# Altium PCB TwoFoot_PCB_m4T1Top2.PcbDoc (part 5 of 9) (continued)
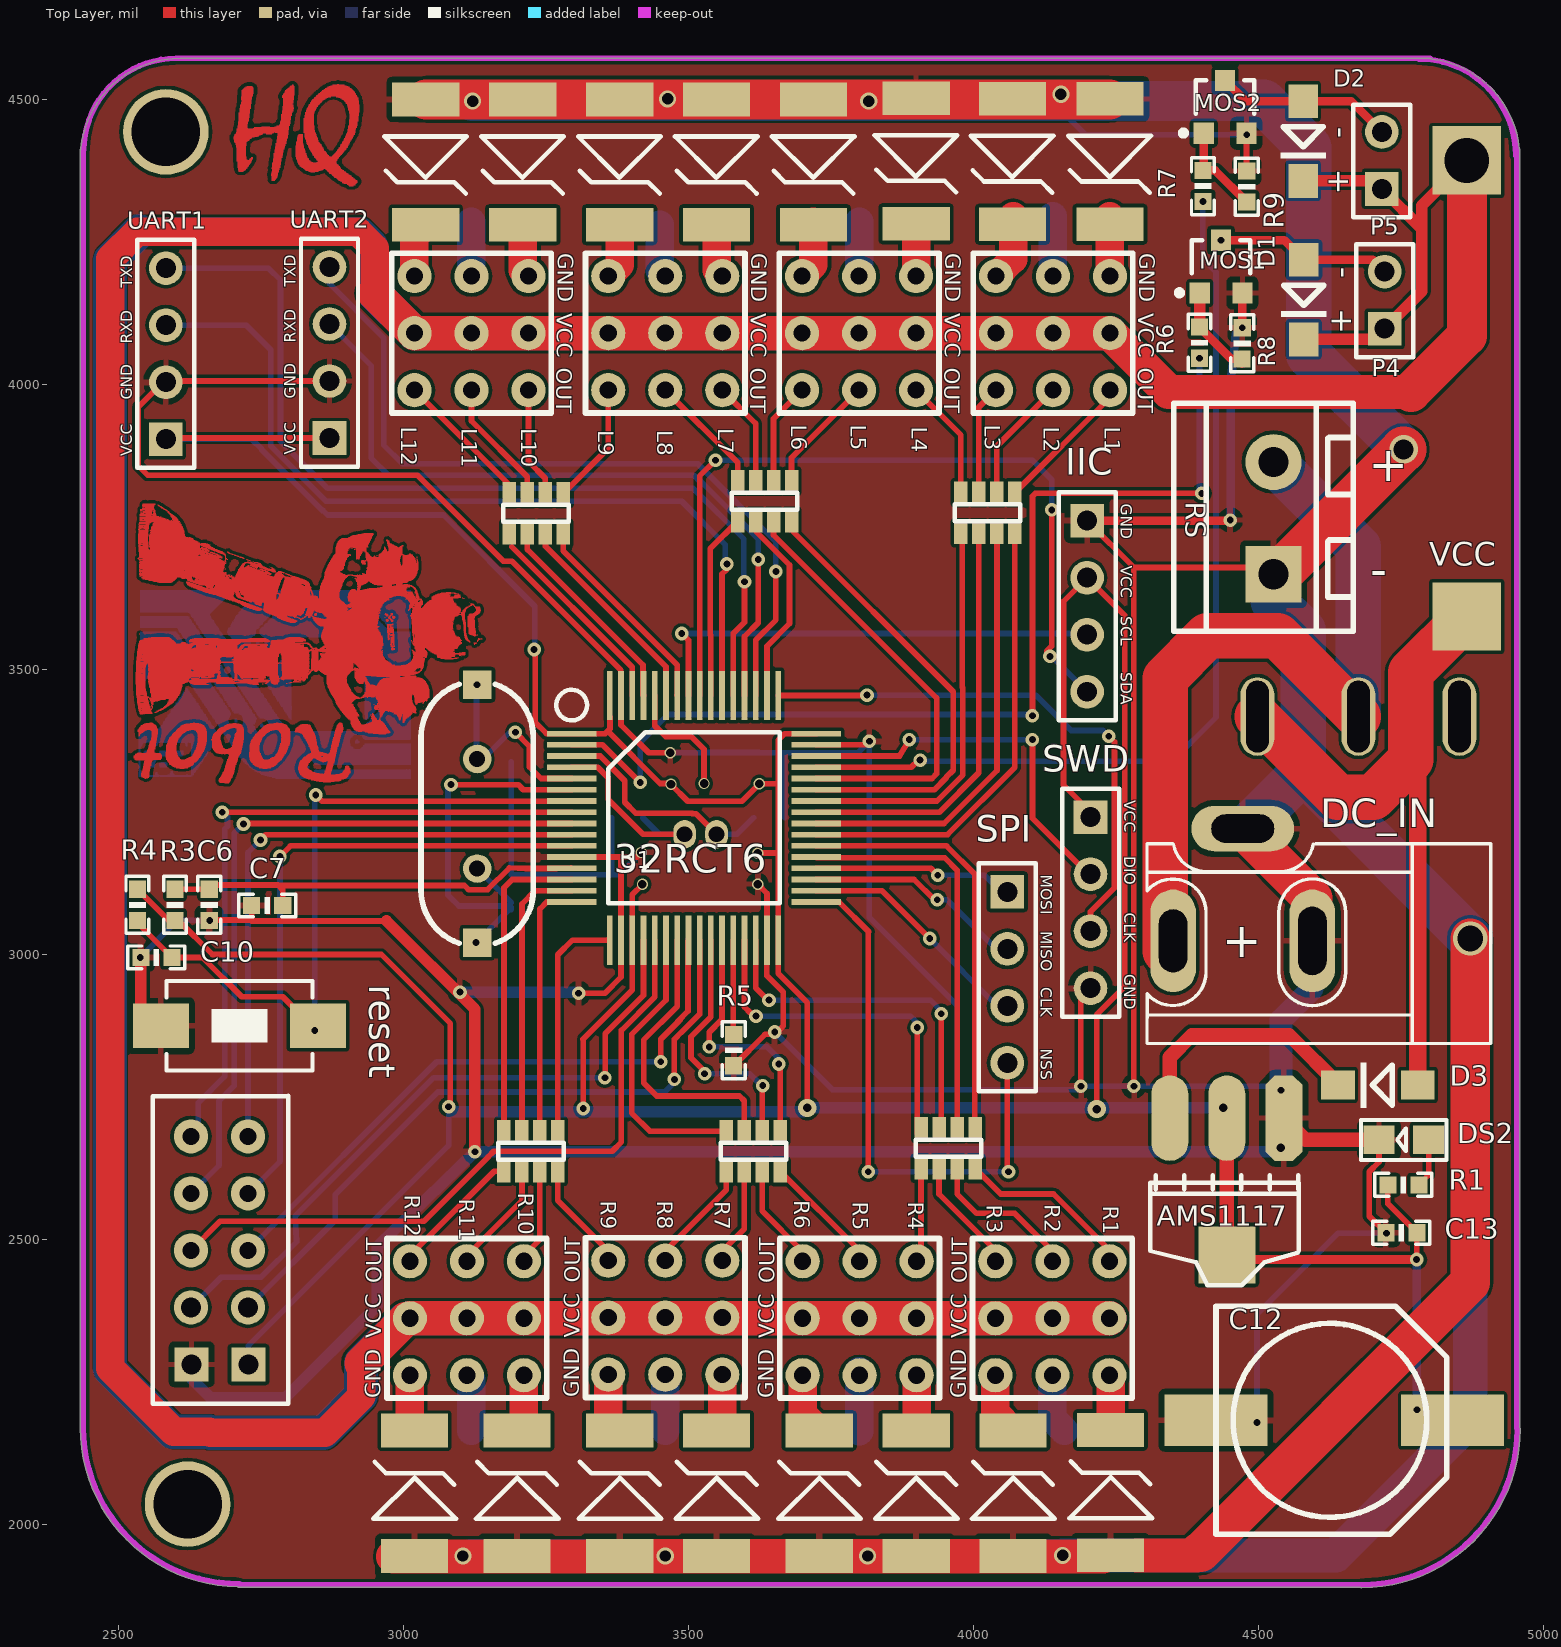
[diagram p0: Top Layer view]
## Nets (pads, with @x,y where several pads share a name; then routed paths per layer and width w, separated by ;. In a path a pad name is that pad's centre, name@x,y a point inside that pad or via, vN(x,y) a via of type N, cw(c..) or ccw(c..) an arc to the next point about the centre after c; other vN are vias at no path point) (continued)
; 2938.8,3454.4 2938.8,3455 ; 2938.8,3455.6 2938.8,3478.4 ; 2938.8,3488.6 2938.8,3641.6 ; 2938.8,3654.2 2938.8,3704.6 ; 2938.8,3714.8 2938.8,3715.4 ; 2938.8,3718.4 2938.8,3739.4 ; 2939.4,3389 2939.4,3405.2 ; 2939.4,3452.6 2939.4,3477.8 ; 2939.4,3488.6 2939.4,3641.6 ; 2939.4,3655.4 2939.4,3704 ; 2939.4,3719.6 2939.4,3739.4 ; 2940,3388.4 2940,3405.8 ; 2940,3452.6 2940,3477.2 ; 2940,3488.6 2940,3641.6 ; 2940,3656 2940,3666.2 ; 2940,3666.8 2940,3702.8 ; 2940,3720.8 2940,3739.4 ; 2940.6,3388.4 2940.6,3405.8 ; 2940.6,3452.6 2940.6,3476 ; 2940.6,3488.6 2940.6,3641.6 ; 2940.6,3656 2940.6,3702.2 ; 2940.6,3722 2940.6,3739.4 ; 2941.2,3387.8 2941.2,3405.8 ; 2941.2,3452.6 2941.2,3474.8 ; 2941.2,3488.6 2941.2,3642.2 ; 2941.2,3655.4 2941.2,3665.6 ; 2941.2,3666.2 2941.2,3666.8 ; 2941.2,3668 2941.2,3701 ; 2941.2,3723.2 2941.2,3739.4 ; 2941.8,3387.8 2941.8,3406.4 ; 2941.8,3452 2941.8,3473.6 ; 2941.8,3488.6 2941.8,3642.2 ; 2941.8,3654.8 2941.8,3670.4 ; 2941.8,3671 2941.8,3700.4 ; 2941.8,3724.4 2941.8,3738.8 ; 2942.4,3387.8 2942.4,3406.4 ; 2942.4,3452 2942.4,3473.6 ; 2942.4,3488.6 2942.4,3642.2 ; 2942.4,3654.2 2942.4,3699.8 ; 2942.4,3725.6 2942.4,3738.8 ; 2943,3387.8 2943,3407 ; 2943,3452 2943,3473.6 ; 2943,3488.6 2943,3642.2 ; 2943,3653.6 2943,3698.6 ; 2943,3726.8 2943,3738.8 ; 2943.6,3387.8 2943.6,3407 ; 2943.6,3452 2943.6,3473.6 ; 2943.6,3488.6 2943.6,3642.2 ; 2943.6,3653 2943.6,3698.6 ; 2943.6,3728.6 2943.6,3738.8 ; 2944.2,3387.8 2944.2,3407.6 ; 2944.2,3418.4 2944.2,3421.4 ; 2944.2,3452 2944.2,3471.8 ; 2944.2,3472.4 2944.2,3473.6 ; 2944.2,3488.6 2944.2,3642.2 ; 2944.2,3652.4 2944.2,3698 ; 2944.2,3729.2 2944.2,3738.8 ; 2944.8,3387.8 2944.8,3407.6 ; 2944.8,3451.4 2944.8,3473 ; 2944.8,3488 2944.8,3641.6 ; 2944.8,3651.8 2944.8,3697.4 ; 2944.8,3730.4 2944.8,3738.8 ; 2945.4,3387.8 2945.4,3407.6 ; 2945.4,3413.6 2945.4,3414.2 ; 2945.4,3416.6 2945.4,3417.2 ; 2945.4,3451.4 2945.4,3473 ; 2945.4,3488 2945.4,3642.2 ; 2945.4,3651.8 2945.4,3696.8 ; 2945.4,3732.2 2945.4,3738.8 ; 2946,3387.8 2946,3408.2 ; 2946,3413 2946,3418.4 ; 2946,3451.4 2946,3473 ; 2946,3488 2946,3642.2 ; 2946,3651.8 2946,3696.8 ; 2946,3733.4 2946,3738.8 ; 2946.6,3387.8 2946.6,3408.2 ; 2946.6,3410.6 2946.6,3411.2 ; 2946.6,3411.8 2946.6,3420.2 ; 2946.6,3421.4 2946.6,3422.6 ; 2946.6,3451.4 2946.6,3473 ; 2946.6,3488 2946.6,3642.2 ; 2946.6,3650.6 2946.6,3696.8 ; 2946.6,3734.6 2946.6,3738.8 ; 2947.2,3387.8 2947.2,3408.2 ; 2947.2,3409.4 2947.2,3411.2 ; 2947.2,3411.8 2947.2,3423.2 ; 2947.2,3451.4 2947.2,3473 ; 2947.2,3488 2947.2,3642.2 ; 2947.2,3650.6 2947.2,3696.8 ; 2947.2,3735.2 2947.2,3738.2 ; 2947.8,3387.8 2947.8,3408.2 ; 2947.8,3408.8 2947.8,3411.2 ; 2947.8,3411.8 2947.8,3422.6 ; 2947.8,3451.4 2947.8,3473 ; 2947.8,3488 2947.8,3642.2 ; 2947.8,3650 2947.8,3695 ; 2947.8,3736.4 2947.8,3738.2 ; 2948.4,3387.8 2948.4,3421.4 ; 2948.4,3451.4 2948.4,3472.4 ; 2948.4,3488 2948.4,3642.2 ; 2948.4,3650 2948.4,3695 ; 2948.4,3737 2948.4,3738.2 ; 2949,3387.2 2949,3421.4 ; 2949,3451.4 2949,3472.4 ; 2949,3488 2949,3642.2 ; 2949,3650 2949,3697.4 ; 2949.6,3387.2 2949.6,3419.6 ; 2949.6,3438.2 2949.6,3438.8 ; 2949.6,3451.4 2949.6,3471.2 ; 2949.6,3471.8 2949.6,3472.4 ; 2949.6,3488 2949.6,3642.8 ; 2949.6,3649.4 2949.6,3696.8 ; 2950.2,3387.2 2950.2,3417.8 ; 2950.2,3452 2950.2,3471.2 ; 2950.2,3471.8 2950.2,3472.4 ; 2950.2,3488 2950.2,3642.8 ; 2950.2,3649.4 2950.2,3699.8 ; 2950.8,3387.2 2950.8,3417.2 ; 2950.8,3431 2950.8,3434.6 ; 2950.8,3452.6 2950.8,3470.6 ; 2950.8,3471.2 2950.8,3471.8 ; 2950.8,3488 2950.8,3642.8 ; 2950.8,3648.8 2950.8,3671.6 ; 2950.8,3672.2 2950.8,3673.4 ; 2950.8,3674 2950.8,3699.8 ; 2951.4,3387.2 2951.4,3416.6 ; 2951.4,3430.4 2951.4,3435.2 ; 2951.4,3435.8 2951.4,3436.4 ; 2951.4,3453.2 2951.4,3471.8 ; 2951.4,3488 2951.4,3642.8 ; 2951.4,3648.8 2951.4,3698 ; 2952,3387.2 2952,3415.4 ; 2952,3429.8 2952,3437 ; 2952,3453.2 2952,3471.2 ; 2952,3488 2952,3642.8 ; 2952,3648.8 2952,3697.4 ; 2952.6,3387.2 2952.6,3414.8 ; 2952.6,3429.8 2952.6,3437 ; 2952.6,3451.4 2952.6,3452.6 ; 2952.6,3453.2 2952.6,3471.2 ; 2952.6,3488 2952.6,3584.6 ; 2952.6,3585.2 2952.6,3642.8 ; 2952.6,3648.8 2952.6,3698 ; 2953.2,3387.2 2953.2,3414.2 ; 2953.2,3429.2 2953.2,3437.6 ; 2953.2,3450.2 2953.2,3452.6 ; 2953.2,3453.2 2953.2,3470.6 ; 2953.2,3488 2953.2,3584.6 ; 2953.2,3585.2 2953.2,3642.8 ; 2953.2,3648.8 2953.2,3697.4 ; 2953.8,3387.2 2953.8,3413.6 ; 2953.8,3429.8 2953.8,3437.6 ; 2953.8,3447.8 2953.8,3453.2 ; 2953.8,3453.8 2953.8,3470.6 ; 2953.8,3488 2953.8,3584.6 ; 2953.8,3585.8 2953.8,3642.8 ; 2953.8,3648.8 2953.8,3696.8 ; 2954.4,3387.8 2954.4,3408.8 ; 2954.4,3409.4 2954.4,3411.2 ; 2954.4,3429.8 2954.4,3437 ; 2954.4,3447.8 2954.4,3470 ; 2954.4,3487.4 2954.4,3576.8 ; 2954.4,3579.2 2954.4,3642.8 ; 2954.4,3648.8 2954.4,3696.2 ; 2955,3387.2 2955,3408.2 ; 2955,3409.4 2955,3410.6 ; 2955,3429.8 2955,3436.4 ; 2955,3447.8 2955,3471.8 ; 2955,3487.4 2955,3576.8 ; 2955,3579.2 2955,3642.8 ; 2955,3648.8 2955,3696.2 ; 2955,3699.8 2955,3700.4 ; 2955.6,3387.2 2955.6,3408.8 ; 2955.6,3409.4 2955.6,3410.6 ; 2955.6,3431 2955.6,3436.4 ; 2955.6,3438.2 2955.6,3438.8 ; 2955.6,3440 2955.6,3440.6 ; 2955.6,3446.6 2955.6,3473 ; 2955.6,3487.4 2955.6,3570.2 ; 2955.6,3572 2955.6,3576.8 ; 2955.6,3579.8 2955.6,3584.6 ; 2955.6,3585.2 2955.6,3643.4 ; 2955.6,3648.2 2955.6,3696.8 ; 2956.2,3387.2 2956.2,3408.8 ; 2956.2,3409.4 2956.2,3410.6 ; 2956.2,3432.2 2956.2,3435.8 ; 2956.2,3437.6 2956.2,3438.8 ; 2956.2,3440 2956.2,3440.6 ; 2956.2,3445.4 2956.2,3474.2 ; 2956.2,3487.4 2956.2,3570.2 ; 2956.2,3573.2 2956.2,3576.2 ; 2956.2,3585.8 2956.2,3588.8 ; 2956.2,3589.4 2956.2,3643.4 ; 2956.2,3648.2 2956.2,3696.8 ; 2956.8,3387.2 2956.8,3408.8 ; 2956.8,3410 2956.8,3410.6 ; 2956.8,3429.2 2956.8,3430.4 ; 2956.8,3431.6 2956.8,3432.2 ; 2956.8,3435.2 2956.8,3435.8 ; 2956.8,3437.6 2956.8,3438.2 ; 2956.8,3443 2956.8,3474.8 ; 2956.8,3487.4 2956.8,3569 ; 2956.8,3575 2956.8,3576.2 ; 2956.8,3586.4 2956.8,3588.2 ; 2956.8,3589.4 2956.8,3596 ; 2956.8,3596.6 2956.8,3643.4 ; 2956.8,3648.8 2956.8,3696.8 ; 2957.4,3387.2 2957.4,3408.8 ; 2957.4,3432.2 2957.4,3434.6 ; 2957.4,3435.8 2957.4,3436.4 ; 2957.4,3438.8 2957.4,3440.6 ; 2957.4,3441.2 2957.4,3476 ; 2957.4,3487.4 2957.4,3568.4 ; 2957.4,3575 2957.4,3575.6 ; 2957.4,3589.4 2957.4,3595.4 ; 2957.4,3597.2 2957.4,3599 ; 2957.4,3600.2 2957.4,3643.4 ; 2957.4,3648.2 2957.4,3697.4 ; 2958,3387.2 2958,3408.8 ; 2958,3411.2 2958,3411.8 ; 2958,3431 2958,3431.6 ; 2958,3434.6 2958,3435.8 ; 2958,3438.8 2958,3477.2 ; 2958,3487.4 2958,3567.8 ; 2958,3575 2958,3575.6 ; 2958,3594.2 2958,3594.8 ; 2958,3597.8 2958,3599 ; 2958,3601.4 2958,3643.4 ; 2958,3648.2 2958,3655.4 ; 2958,3656 2958,3697.4 ; 2958,3699.8 2958,3700.4 ; 2958.6,3386.6 2958.6,3408.8 ; 2958.6,3409.4 2958.6,3411.8 ; 2958.6,3426.2 2958.6,3427.4 ; 2958.6,3429.8 2958.6,3432.2 ; 2958.6,3432.8 2958.6,3434.6 ; 2958.6,3436.4 2958.6,3437.6 ; 2958.6,3438.8 2958.6,3440 ; 2958.6,3440.6 2958.6,3477.8 ; 2958.6,3487.4 2958.6,3567.8 ; 2958.6,3575 2958.6,3575.6 ; 2958.6,3588.8 2958.6,3589.4 ; 2958.6,3594.2 2958.6,3594.8 ; 2958.6,3597.8 2958.6,3599 ; 2958.6,3601.4 2958.6,3643.4 ; 2958.6,3648.2 2958.6,3697.4 ; 2958.6,3699.8 2958.6,3701 ; 2959.2,3386.6 2959.2,3410 ; 2959.2,3410.6 2959.2,3413.6 ; 2959.2,3431 2959.2,3478.4 ; 2959.2,3488 2959.2,3565.4 ; 2959.2,3598.4 2959.2,3600.2 ; 2959.2,3602 2959.2,3643.4 ; 2959.2,3648.2 2959.2,3702.2 ; 2959.8,3386.6 2959.8,3409.4 ; 2959.8,3410.6 2959.8,3411.2 ; 2959.8,3411.8 2959.8,3414.8 ; 2959.8,3423.2 2959.8,3479.6 ; 2959.8,3488 2959.8,3560 ; 2959.8,3560.6 2959.8,3565.4 ; 2959.8,3599 2959.8,3599.6 ; 2959.8,3602 2959.8,3643.4 ; 2959.8,3648.2 2959.8,3702.2 ; 2960.4,3386.6 2960.4,3409.4 ; 2960.4,3410 2960.4,3417.2 ; 2960.4,3419.6 2960.4,3459.2 ; 2960.4,3459.8 2960.4,3460.4 ; 2960.4,3461 2960.4,3480.2 ; 2960.4,3487.4 2960.4,3560 ; 2960.4,3560.6 2960.4,3564.2 ; 2960.4,3602.6 2960.4,3643.4 ; 2960.4,3648.2 2960.4,3702.8 ; 2961,3386.6 2961,3410.6 ; 2961,3416 2961,3480.8 ; 2961,3487.4 2961,3560 ; 2961,3560.6 2961,3563 ; 2961,3603.2 2961,3603.8 ; 2961,3608.6 2961,3633.2 ; 2961,3633.8 2961,3635.6 ; 2961,3636.2 2961,3644 ; 2961,3648.2 2961,3656 ; 2961,3656.6 2961,3702.8 ; 2961.6,3386.6 2961.6,3408.2 ; 2961.6,3416.6 2961.6,3480.8 ; 2961.6,3487.4 2961.6,3559.4 ; 2961.6,3608.6 2961.6,3644 ; 2961.6,3648.2 2961.6,3656 ; 2961.6,3656.6 2961.6,3703.4 ; 2962.2,3386.6 2962.2,3408.8 ; 2962.2,3417.8 2962.2,3481.4 ; 2962.2,3487.4 2962.2,3559.4 ; 2962.2,3609.8 2962.2,3636.2 ; 2962.2,3636.8 2962.2,3644 ; 2962.2,3648.2 2962.2,3656 ; 2962.2,3656.6 2962.2,3704 ; 2962.8,3386.6 2962.8,3409.4 ; 2962.8,3418.4 2962.8,3482 ; 2962.8,3487.4 2962.8,3531.8 ; 2962.8,3536.6 2962.8,3559.4 ; 2962.8,3611 2962.8,3613.4 ; 2962.8,3614 2962.8,3644 ; 2962.8,3648.2 2962.8,3656 ; 2962.8,3656.6 2962.8,3704.6 ; 2963.4,3386.6 2963.4,3408.2 ; 2963.4,3418.4 2963.4,3482.6 ; 2963.4,3487.4 2963.4,3531.8 ; 2963.4,3536.6 2963.4,3558.8 ; 2963.4,3611 2963.4,3613.4 ; 2963.4,3614 2963.4,3635 ; 2963.4,3635.6 2963.4,3644 ; 2963.4,3648.2 2963.4,3705.2 ; 2964,3386.6 2964,3408.2 ; 2964,3420.2 2964,3483.2 ; 2964,3487.4 2964,3527 ; 2964,3528.8 2964,3530 ; 2964,3531.8 2964,3533.6 ; 2964,3546.2 2964,3555.8 ; 2964,3614.6 2964,3644 ; 2964,3648.2 2964,3687.8 ; 2964,3688.4 2964,3705.8 ; 2964.6,3386.6 2964.6,3408.2 ; 2964.6,3421.4 2964.6,3483.2 ; 2964.6,3487.4 2964.6,3524 ; 2964.6,3524.6 2964.6,3526.4 ; 2964.6,3531.8 2964.6,3533 ; 2964.6,3546.2 2964.6,3555.8 ; 2964.6,3614.6 2964.6,3644.6 ; 2964.6,3648.2 2964.6,3706.4 ; 2965.2,3386.6 2965.2,3407 ; 2965.2,3422.6 2965.2,3456.8 ; 2965.2,3457.4 2965.2,3483.8 ; 2965.2,3488 2965.2,3523.4 ; 2965.2,3541.4 2965.2,3546.2 ; 2965.2,3615.2 2965.2,3645.2 ; 2965.2,3646.4 2965.2,3647.6 ; 2965.2,3648.2 2965.2,3707 ; 2965.8,3386.6 2965.8,3405.8 ; 2965.8,3406.4 2965.8,3407 ; 2965.8,3424.4 2965.8,3455 ; 2965.8,3455.6 2965.8,3483.8 ; 2965.8,3487.4 2965.8,3522.8 ; 2965.8,3615.8 2965.8,3623 ; 2965.8,3623.6 2965.8,3707.6 ; 2966.4,3386.6 2966.4,3405.2 ; 2966.4,3405.8 2966.4,3406.4 ; 2966.4,3424.4 2966.4,3484.4 ; 2966.4,3487.4 2966.4,3522.2 ; 2966.4,3617 2966.4,3623 ; 2966.4,3623.6 2966.4,3687.2 ; 2966.4,3687.8 2966.4,3708.8 ; 2967,3386.6 2967,3404 ; 2967,3404.6 2967,3405.2 ; 2967,3425 2967,3484.4 ; 2967,3488 2967,3521 ; 2967,3618.2 2967,3709.4 ; 2967.6,3386.6 2967.6,3403.4 ; 2967.6,3404 2967.6,3404.6 ; 2967.6,3426.2 2967.6,3484.4 ; 2967.6,3487.4 2967.6,3521 ; 2967.6,3618.2 2967.6,3633.8 ; 2967.6,3634.4 2967.6,3689 ; 2967.6,3689.6 2967.6,3711.8 ; 2968.2,3386.6 2968.2,3402.8 ; 2968.2,3426.8 2968.2,3485 ; 2968.2,3487.4 2968.2,3520.4 ; 2968.2,3618.8 2968.2,3623.6 ; 2968.2,3624.2 2968.2,3715.4 ; 2968.8,3386.6 2968.8,3402.2 ; 2968.8,3428 2968.8,3485 ; 2968.8,3487.4 2968.8,3494.6 ; 2968.8,3495.2 2968.8,3517.4 ; 2968.8,3591.2 2968.8,3591.8 ; 2968.8,3596 2968.8,3596.6 ; 2968.8,3618.8 2968.8,3623.6 ; 2968.8,3624.8 2968.8,3714.2 ; 2969.4,3386.6 2969.4,3401 ; 2969.4,3401.6 2969.4,3402.2 ; 2969.4,3428 2969.4,3485 ; 2969.4,3487.4 2969.4,3517.4 ; 2969.4,3597.8 2969.4,3598.4 ; 2969.4,3618.8 2969.4,3624.2 ; 2969.4,3625.4 2969.4,3713 ; 2970,3387.2 2970,3400.4 ; 2970,3428.6 2970,3485 ; 2970,3487.4 2970,3517.4 ; 2970,3619.4 2970,3624.8 ; 2970,3626 2970,3630.8 ; 2970,3631.4 2970,3686.6 ; 2970,3687.8 2970,3711.8 ; 2970.6,3387.2 2970.6,3399.2 ; 2970.6,3428.6 2970.6,3485 ; 2970.6,3487.4 2970.6,3494 ; 2970.6,3494.6 2970.6,3516.2 ; 2970.6,3585.2 2970.6,3585.8 ; 2970.6,3586.4 2970.6,3587.6 ; 2970.6,3594.2 2970.6,3597.2 ; 2970.6,3620 2970.6,3623 ; 2970.6,3623.6 2970.6,3627.2 ; 2970.6,3627.8 2970.6,3691.4 ; 2970.6,3692.6 2970.6,3710.6 ; 2971.2,3387.8 2971.2,3398.6 ; 2971.2,3428.6 2971.2,3485.6 ; 2971.2,3487.4 2971.2,3515.6 ; 2971.2,3584.6 2971.2,3587.6 ; 2971.2,3593.6 2971.2,3597.2 ; 2971.2,3620.6 2971.2,3624.2 ; 2971.2,3624.8 2971.2,3627.2 ; 2971.2,3629 2971.2,3675.2 ; 2971.2,3675.8 2971.2,3710 ; 2971.8,3387.8 2971.8,3398 ; 2971.8,3427.4 2971.8,3485.6 ; 2971.8,3487.4 2971.8,3515.6 ; 2971.8,3584.6 2971.8,3588.2 ; 2971.8,3593 2971.8,3597.8 ; 2971.8,3620.6 2971.8,3708.2 ; 2971.8,3726.2 2971.8,3727.4 ; 2972.4,3387.8 2972.4,3396.8 ; 2972.4,3428 2972.4,3485.6 ; 2972.4,3487.4 2972.4,3515 ; 2972.4,3584 2972.4,3588.2 ; 2972.4,3593.6 2972.4,3597.8 ; 2972.4,3621.2 2972.4,3626 ; 2972.4,3626.6 2972.4,3684.8 ; 2972.4,3686 2972.4,3689 ; 2972.4,3689.6 2972.4,3706.4 ; 2972.4,3725 2972.4,3727.4 ; 2973,3387.8 2973,3396.2 ; 2973,3428 2973,3485.6 ; 2973,3487.4 2973,3514.4 ; 2973,3575 2973,3575.6 ; 2973,3577.4 2973,3579.8 ; 2973,3584 2973,3588.2 ; 2973,3593.6 2973,3597.2 ; 2973,3621.2 2973,3624.8 ; 2973,3625.4 2973,3627.8 ; 2973,3628.4 2973,3692.6 ; 2973,3693.2 2973,3704 ; 2973,3704.6 2973,3705.2 ; 2973,3722 2973,3727.4 ; 2973.6,3387.8 2973.6,3395 ; 2973.6,3427.4 2973.6,3485.6 ; 2973.6,3487.4 2973.6,3506 ; 2973.6,3507.2 2973.6,3514.4 ; 2973.6,3564.2 2973.6,3565.4 ; 2973.6,3566.6 2973.6,3567.8 ; 2973.6,3568.4 2973.6,3569 ; 2973.6,3570.2 2973.6,3575.6 ; 2973.6,3576.2 2973.6,3579.8 ; 2973.6,3584.6 2973.6,3588.2 ; 2973.6,3593.6 2973.6,3597.2 ; 2973.6,3621.2 2973.6,3688.4 ; 2973.6,3689 2973.6,3704.6 ; 2973.6,3720.2 2973.6,3726.8 ; 2974.2,3387.8 2974.2,3394.4 ; 2974.2,3426.8 2974.2,3485.6 ; 2974.2,3487.4 2974.2,3513.8 ; 2974.2,3553.4 2974.2,3554 ; 2974.2,3555.8 2974.2,3560.6 ; 2974.2,3561.2 2974.2,3562.4 ; 2974.2,3563 2974.2,3568.4 ; 2974.2,3569 2974.2,3569.6 ; 2974.2,3570.2 2974.2,3579.8 ; 2974.2,3584.6 2974.2,3587.6 ; 2974.2,3594.8 2974.2,3596 ; 2974.2,3621.2 2974.2,3707 ; 2974.2,3717.2 2974.2,3724.4 ; 2974.2,3725.6 2974.2,3726.8 ; 2974.8,3387.8 2974.8,3393.8 ; 2974.8,3426.2 2974.8,3446.6 ; 2974.8,3447.2 2974.8,3485.6 ; 2974.8,3487.4 2974.8,3513.8 ; 2974.8,3551 2974.8,3551.6 ; 2974.8,3552.2 2974.8,3562.4 ; 2974.8,3563 2974.8,3569.6 ; 2974.8,3570.2 2974.8,3572.6 ; 2974.8,3573.2 2974.8,3579.8 ; 2974.8,3585.2 2974.8,3587 ; 2974.8,3590 2974.8,3591.8 ; 2974.8,3621.2 2974.8,3623 ; 2974.8,3623.6 2974.8,3704.6 ; 2974.8,3714.2 2974.8,3723.8 ; 2974.8,3724.4 2974.8,3726.2 ; 2975.4,3388.4 2975.4,3392.6 ; 2975.4,3426.2 2975.4,3485.6 ; 2975.4,3487.4 2975.4,3495.2 ; 2975.4,3495.8 2975.4,3507.2 ; 2975.4,3507.8 2975.4,3512 ; 2975.4,3512.6 2975.4,3513.2 ; 2975.4,3552.2 2975.4,3561.8 ; 2975.4,3563 2975.4,3569.6 ; 2975.4,3570.2 2975.4,3572.6 ; 2975.4,3577.4 2975.4,3579.8 ; 2975.4,3589.4 2975.4,3592.4 ; 2975.4,3593.6 2975.4,3594.2 ; 2975.4,3621.8 2975.4,3623 ; 2975.4,3624.8 2975.4,3706.4 ; 2975.4,3709.4 2975.4,3725.6 ; 2976,3388.4 2976,3392 ; 2976,3426.8 2976,3485.6 ; 2976,3487.4 2976,3512 ; 2976,3552.2 2976,3554 ; 2976,3554.6 2976,3562.4 ; 2976,3563.6 2976,3568.4 ; 2976,3569 2976,3569.6 ; 2976,3589.4 2976,3593 ; 2976,3625.4 2976,3724.4 ; 2976.6,3389 2976.6,3391.4 ; 2976.6,3427.4 2976.6,3485.6 ; 2976.6,3487.4 2976.6,3511.4 ; 2976.6,3552.8 2976.6,3555.2 ; 2976.6,3560.6 2976.6,3562.4 ; 2976.6,3588.8 2976.6,3593.6 ; 2976.6,3626 2976.6,3722 ; 2977.2,3389 2977.2,3390.8 ; 2977.2,3427.4 2977.2,3485.6 ; 2977.2,3487.4 2977.2,3511.4 ; 2977.2,3563.6 2977.2,3564.2 ; 2977.2,3575 2977.2,3578.6 ; 2977.2,3588.8 2977.2,3593.6 ; 2977.2,3626 2977.2,3721.4 ; 2977.8,3389.6 2977.8,3390.2 ; 2977.8,3427.4 2977.8,3486.2 ; 2977.8,3487.4 2977.8,3511.4 ; 2977.8,3566.6 2977.8,3567.2 ; 2977.8,3567.8 2977.8,3572 ; 2977.8,3573.2 2977.8,3579.2 ; 2977.8,3588.2 2977.8,3590.6 ; 2977.8,3591.2 2977.8,3594.2 ; 2977.8,3626.6 2977.8,3720.8 ; 2978.4,3426.2 2978.4,3486.2 ; 2978.4,3487.4 2978.4,3494 ; 2978.4,3494.6 2978.4,3495.8 ; 2978.4,3496.4 2978.4,3507.2 ; 2978.4,3507.8 2978.4,3510.8 ; 2978.4,3543.8 2978.4,3544.4 ; 2978.4,3559.4 2978.4,3561.2 ; 2978.4,3564.8 2978.4,3572 ; 2978.4,3572.6 2978.4,3579.8 ; 2978.4,3587.6 2978.4,3590 ; 2978.4,3593 2978.4,3595.4 ; 2978.4,3623 2978.4,3623.6 ; 2978.4,3626 2978.4,3720.8 ; 2979,3426.2 2979,3486.2 ; 2979,3487.4 2979,3493.4 ; 2979,3494 2979,3506.6 ; 2979,3507.2 2979,3510.2 ; 2979,3545.6 2979,3546.8 ; 2979,3549.8 2979,3553.4 ; 2979,3554 2979,3555.2 ; 2979,3557 2979,3557.6 ; 2979,3558.8 2979,3561.8 ; 2979,3564.2 2979,3572 ; 2979,3572.6 2979,3575.6 ; 2979,3576.8 2979,3579.8 ; 2979,3587 2979,3588.8 ; 2979,3594.2 2979,3598.4 ; 2979,3623 2979,3623.6 ; 2979,3626 2979,3720.8 ; 2979.6,3425.6 2979.6,3509.6 ; 2979.6,3539.6 2979.6,3542 ; 2979.6,3542.6 2979.6,3548.6 ; 2979.6,3550.4 2979.6,3556.4 ; 2979.6,3558.8 2979.6,3561.8 ; 2979.6,3564.2 2979.6,3567.2 ; 2979.6,3569 2979.6,3572 ; 2979.6,3572.6 2979.6,3574.4 ; 2979.6,3578 2979.6,3579.8 ; 2979.6,3585.2 2979.6,3588.2 ; 2979.6,3594.2 2979.6,3598.4 ; 2979.6,3626 2979.6,3720.2 ; 2980.2,3425.6 2980.2,3494 ; 2980.2,3494.6 2980.2,3505.4 ; 2980.2,3506 2980.2,3507.2 ; 2980.2,3507.8 2980.2,3509 ; 2980.2,3534.8 2980.2,3537.2 ; 2980.2,3539 2980.2,3549.2 ; 2980.2,3549.8 2980.2,3557 ; 2980.2,3558.8 2980.2,3561.8 ; 2980.2,3564.2 2980.2,3572 ; 2980.2,3572.6 2980.2,3575 ; 2980.2,3577.4 2980.2,3579.8 ; 2980.2,3584 2980.2,3588.2 ; 2980.2,3594.8 2980.2,3599 ; 2980.2,3626.6 2980.2,3720.2 ; 2980.8,3425 2980.8,3505.4 ; 2980.8,3506 2980.8,3507.2 ; 2980.8,3534.2 2980.8,3536.6 ; 2980.8,3539 2980.8,3542 ; 2980.8,3542.6 2980.8,3549.2 ; 2980.8,3554 2980.8,3557 ; 2980.8,3558.8 2980.8,3561.8 ; 2980.8,3564.2 2980.8,3572 ; 2980.8,3572.6 2980.8,3575 ; 2980.8,3577.4 2980.8,3579.8 ; 2980.8,3584 2980.8,3587.6 ; 2980.8,3594.8 2980.8,3599 ; 2980.8,3626.6 2980.8,3646.4 ; 2980.8,3649.4 2980.8,3719.6 ; 2981.4,3425 2981.4,3501.2 ; 2981.4,3501.8 2981.4,3502.4 ; 2981.4,3503 2981.4,3504.2 ; 2981.4,3505.4 2981.4,3506.6 ; 2981.4,3534.2 2981.4,3537.2 ; 2981.4,3539 2981.4,3542 ; 2981.4,3546.8 2981.4,3549.8 ; 2981.4,3550.4 2981.4,3557 ; 2981.4,3558.8 2981.4,3561.8 ; 2981.4,3565.4 2981.4,3567.8 ; 2981.4,3568.4 2981.4,3572 ; 2981.4,3572.6 2981.4,3575 ; 2981.4,3577.4 2981.4,3579.8 ; 2981.4,3584 2981.4,3587.6 ; 2981.4,3595.4 2981.4,3598.4 ; 2981.4,3627.2 2981.4,3645.8 ; 2981.4,3649.4 2981.4,3719 ; 2982,3425 2982,3501.2 ; 2982,3501.8 2982,3503 ; 2982,3503.6 2982,3504.2 ; 2982,3505.4 2982,3506.6 ; 2982,3534.2 2982,3542 ; 2982,3546.8 2982,3557.6 ; 2982,3559.4 2982,3561.8 ; 2982,3564.2 2982,3567.2 ; 2982,3569.6 2982,3572 ; 2982,3573.2 2982,3575 ; 2982,3577.4 2982,3580.4 ; 2982,3584 2982,3587.6 ; 2982,3590.6 2982,3593 ; 2982,3595.4 2982,3598.4 ; 2982,3627.2 2982,3642.2 ; 2982,3642.8 2982,3646.4 ; 2982,3649.4 2982,3719 ; 2982.6,3425 2982.6,3502.4 ; 2982.6,3503 2982.6,3503.6 ; 2982.6,3504.2 2982.6,3506 ; 2982.6,3506.6 2982.6,3507.8 ; 2982.6,3534.2 2982.6,3542 ; 2982.6,3546.8 2982.6,3549.8 ; 2982.6,3550.4 2982.6,3553.4 ; 2982.6,3554 2982.6,3557 ; 2982.6,3559.4 2982.6,3561.2 ; 2982.6,3563 2982.6,3563.6 ; 2982.6,3564.2 2982.6,3568.4 ; 2982.6,3569 2982.6,3572 ; 2982.6,3572.6 2982.6,3575 ; 2982.6,3577.4 2982.6,3580.4 ; 2982.6,3584.6 2982.6,3587 ; 2982.6,3590 2982.6,3593.6 ; 2982.6,3594.8 2982.6,3595.4 ; 2982.6,3627.2 2982.6,3646.4 ; 2982.6,3650 2982.6,3719 ; 2983.2,3423.8 2983.2,3425 ; 2983.2,3426.2 2983.2,3440.6 ; 2983.2,3441.2 2983.2,3508.4 ; 2983.2,3534.8 2983.2,3538.4 ; 2983.2,3539 2983.2,3542 ; 2983.2,3546.8 2983.2,3549.8 ; 2983.2,3553.4 2983.2,3557 ; 2983.2,3557.6 2983.2,3564.2 ; 2983.2,3564.8 2983.2,3575 ; 2983.2,3578 2983.2,3579.8 ; 2983.2,3584.6 2983.2,3586.4 ; 2983.2,3589.4 2983.2,3593.6 ; 2983.2,3628.4 2983.2,3646.4 ; 2983.2,3649.4 2983.2,3718.4 ; 2983.8,3425 2983.8,3508.4 ; 2983.8,3534.8 2983.8,3537.2 ; 2983.8,3539.6 2983.8,3542 ; 2983.8,3543.2 2983.8,3549.2 ; 2983.8,3549.8 2983.8,3556.4 ; 2983.8,3557 2983.8,3564.2 ; 2983.8,3565.4 2983.8,3570.8 ; 2983.8,3589.4 2983.8,3593.6 ; 2983.8,3628.4 2983.8,3646.4 ; 2983.8,3649.4 2983.8,3718.4 ; 2984.4,3421.4 2984.4,3422 ; 2984.4,3425 2984.4,3508.4 ; 2984.4,3534.8 2984.4,3536.6 ; 2984.4,3539.6 2984.4,3542 ; 2984.4,3542.6 2984.4,3548.6 ; 2984.4,3549.8 2984.4,3555.8 ; 2984.4,3557 2984.4,3560.6 ; 2984.4,3561.2 2984.4,3561.8 ; 2984.4,3589.4 2984.4,3593.6 ; 2984.4,3628.4 2984.4,3646.4 ; 2984.4,3649.4 2984.4,3669.8 ; 2984.4,3670.4 2984.4,3717.8 ; 2985,3421.4 2985,3422 ; 2985,3425 2985,3508.4 ; 2985,3534.8 2985,3537.2 ; 2985,3539.6 2985,3542 ; 2985,3542.6 2985,3548 ; 2985,3550.4 2985,3551.6 ; 2985,3589.4 2985,3593.6 ; 2985,3628.4 2985,3647 ; 2985,3650 2985,3717.8 ; 2985.6,3423.2 2985.6,3508.4 ; 2985.6,3534.8 2985.6,3537.2 ; 2985.6,3539.6 2985.6,3542 ; 2985.6,3590 2985.6,3593 ; 2985.6,3628.4 2985.6,3647 ; 2985.6,3650 2985.6,3669.2 ; 2985.6,3669.8 2985.6,3717.2 ; 2986.2,3422.6 2986.2,3506.6 ; 2986.2,3591.2 2986.2,3592.4 ; 2986.2,3628.4 2986.2,3647 ; 2986.2,3650 2986.2,3717.2 ; 2986.8,3422.6 2986.8,3506.6 ; 2986.8,3628.4 2986.8,3647 ; 2986.8,3650 2986.8,3670.4 ; 2986.8,3671 2986.8,3716.6 ; 2987.4,3421.4 2987.4,3422.6 ; 2987.4,3424.4 2987.4,3506 ; 2987.4,3628.4 2987.4,3647 ; 2987.4,3650 2987.4,3669.2 ; 2987.4,3669.8 2987.4,3716.6 ; 2988,3421.4 2988,3506.6 ; 2988,3629.6 2988,3644 ; 2988,3644.6 2988,3647 ; 2988,3650 2988,3716 ; 2988.6,3421.4 2988.6,3506.6 ; 2988.6,3629.6 2988.6,3644 ; 2988.6,3644.6 2988.6,3647 ; 2988.6,3650 2988.6,3670.4 ; 2988.6,3671 2988.6,3716 ; 2989.2,3421.4 2989.2,3506.6 ; 2989.2,3629.6 2989.2,3715.4 ; 2989.8,3420.2 2989.8,3506.6 ; 2989.8,3629.6 2989.8,3715.4 ; 2990.4,3419 2990.4,3443.6 ; 2990.4,3444.2 2990.4,3506.6 ; 2990.4,3629.6 2990.4,3714.2 ; 2991,3418.4 2991,3443 ; 2991,3443.6 2991,3444.8 ; 2991,3445.4 2991,3456.2 ; 2991,3456.8 2991,3506.6 ; 2991,3629.6 2991,3644 ; 2991,3644.6 2991,3712.4 ; 2991.6,3417.8 2991.6,3506.6 ; 2991.6,3629.6 2991.6,3644 ; 2991.6,3644.6 2991.6,3712.4 ; 2992.2,3417.8 2992.2,3506.6 ; 2992.2,3629.6 2992.2,3713 ; 2992.8,3416.6 2992.8,3438.8 ; 2992.8,3439.4 2992.8,3506.6 ; 2992.8,3629.6 2992.8,3713.6 ; 2993.4,3413 2993.4,3448.4 ; 2993.4,3449 2993.4,3450.2 ; 2993.4,3450.8 2993.4,3506.6 ; 2993.4,3629.6 2993.4,3714.2 ; 2994,3413 2994,3444.8 ; 2994,3445.4 2994,3506.6 ; 2994,3629.6 2994,3714.8 ; 2994.6,3410.6 2994.6,3411.8 ; 2994.6,3413 2994.6,3441.8 ; 2994.6,3442.4 2994.6,3487.4 ; 2994.6,3488.6 2994.6,3506.6 ; 2994.6,3629.6 2994.6,3714.8 ; 2995.2,3410.6 2995.2,3411.8 ; 2995.2,3412.4 2995.2,3486.2 ; 2995.2,3488.6 2995.2,3506.6 ; 2995.2,3629.6 2995.2,3687.8 ; 2995.2,3694.4 2995.2,3695 ; 2995.2,3695.6 2995.2,3715.4 ; 2995.8,3412.4 2995.8,3439.4 ; 2995.8,3440 2995.8,3486.8 ; 2995.8,3488.6 2995.8,3506.6 ; 2995.8,3629.6 2995.8,3684.2 ; 2995.8,3697.4 2995.8,3715.4 ; 2996.4,3415.4 2996.4,3486.8 ; 2996.4,3488.6 2996.4,3506.6 ; 2996.4,3629.6 2996.4,3682.4 ; 2996.4,3698.6 2996.4,3716 ; 2997,3416 2997,3486.8 ; 2997,3488.6 2997,3506.6 ; 2997,3629.6 2997,3670.4 ; 2997,3671 2997,3681.8 ; 2997,3699.8 2997,3716 ; 2997.6,3418.4 2997.6,3486.8 ; 2997.6,3488.6 2997.6,3507.2 ; 2997.6,3628.4 2997.6,3670.4 ; 2997.6,3671 2997.6,3680.6 ; 2997.6,3701 2997.6,3717.2 ; 2998.2,3422.6 2998.2,3486.8 ; 2998.2,3488.6 2998.2,3507.2 ; 2998.2,3628.4 2998.2,3681.8 ; 2998.2,3701 2998.2,3717.2 ; 2998.8,3422.6 2998.8,3486.8 ; 2998.8,3488.6 2998.8,3507.2 ; 2998.8,3628.4 2998.8,3650 ; 2998.8,3651.2 2998.8,3682.4 ; 2998.8,3701.6 2998.8,3702.2 ; 2998.8,3704.6 2998.8,3710 ; 2998.8,3714.2 2998.8,3717.2 ; 2999.4,3422 2999.4,3426.8 ; 2999.4,3427.4 2999.4,3486.8 ; 2999.4,3488.6 2999.4,3507.2 ; 2999.4,3628.4 2999.4,3648.8 ; 2999.4,3651.2 2999.4,3683.6 ; 2999.4,3701 2999.4,3702.2 ; 2999.4,3716.6 2999.4,3717.8 ; 3000,3406.4 3000,3407 ; 3000,3419.6 3000,3420.8 ; 3000,3421.4 3000,3423.8 ; 3000,3426.2 3000,3486.8 ; 3000,3489.2 3000,3507.2 ; 3000,3628.4 3000,3648.8 ; 3000,3651.8 3000,3699.8 ; 3000,3700.4 3000,3702.2 ; 3000,3716.6 3000,3717.8 ; 3000.6,3406.4 3000.6,3487.4 ; 3000.6,3489.2 3000.6,3507.2 ; 3000.6,3628.4 3000.6,3648.8 ; 3000.6,3651.8 3000.6,3657.8 ; 3000.6,3658.4 3000.6,3702.2 ; 3000.6,3717.2 3000.6,3717.8 ; 3001.2,3407 3001.2,3487.4 ; 3001.2,3489.2 3001.2,3507.2 ; 3001.2,3628.4 3001.2,3648.8 ; 3001.2,3651.8 3001.2,3665.6 ; 3001.2,3666.2 3001.2,3701.6 ; 3001.8,3407 3001.8,3487.4 ; 3001.8,3489.2 3001.8,3507.2 ; 3001.8,3628.4 3001.8,3649.4 ; 3001.8,3651.8 3001.8,3657.2 ; 3001.8,3657.8 3001.8,3699.8 ; 3001.8,3700.4 3001.8,3701.6 ; 3002.4,3408.2 3002.4,3465.8 ; 3002.4,3466.4 3002.4,3487.4 ; 3002.4,3489.2 3002.4,3508.4 ; 3002.4,3627.8 3002.4,3649.4 ; 3002.4,3651.8 3002.4,3700.4 ; 3003,3408.8 3003,3420.2 ; 3003,3420.8 3003,3465.8 ; 3003,3466.4 3003,3481.4 ; 3003,3482 3003,3487.4 ; 3003,3489.2 3003,3507.8 ; 3003,3627.8 3003,3649.4 ; 3003,3651.8 3003,3698 ; 3003,3699.8 3003,3700.4 ; 3003.6,3410 3003.6,3465.2 ; 3003.6,3465.8 3003.6,3466.4 ; 3003.6,3467 3003.6,3481.4 ; 3003.6,3482 3003.6,3507.8 ; 3003.6,3626.6 3003.6,3647 ; 3003.6,3647.6 3003.6,3649.4 ; 3003.6,3651.8 3003.6,3655.4 ; 3003.6,3656 3003.6,3698 ; 3003.6,3699.8 3003.6,3700.4 ; 3004.2,3412.4 3004.2,3481.4 ; 3004.2,3482 3004.2,3483.2 ; 3004.2,3483.8 3004.2,3507.8 ; 3004.2,3623 3004.2,3623.6 ; 3004.2,3626.6 3004.2,3649.4 ; 3004.2,3651.8 3004.2,3655.4 ; 3004.2,3656 3004.2,3700.4 ; 3004.8,3413 3004.8,3466.4 ; 3004.8,3467 3004.8,3491.6 ; 3004.8,3492.2 3004.8,3507.8 ; 3004.8,3623 3004.8,3623.6 ; 3004.8,3626.6 3004.8,3649.4 ; 3004.8,3651.8 3004.8,3655.4 ; 3004.8,3656 3004.8,3700.4 ; 3005.4,3413.6 3005.4,3465.8 ; 3005.4,3466.4 3005.4,3507.8 ; 3005.4,3623 3005.4,3623.6 ; 3005.4,3626.6 3005.4,3648.8 ; 3005.4,3652.4 3005.4,3698 ; 3005.4,3699.8 3005.4,3700.4 ; 3006,3414.2 3006,3508.4 ; 3006,3624.8 3006,3641 ; 3006,3642.2 3006,3642.8 ; 3006,3643.4 3006,3647.6 ; 3006,3648.2 3006,3648.8 ; 3006,3652.4 3006,3698 ; 3006,3699.8 3006,3700.4 ; 3006.6,3414.2 3006.6,3419.6 ; 3006.6,3420.2 3006.6,3465.2 ; 3006.6,3465.8 3006.6,3492.2 ; 3006.6,3492.8 3006.6,3508.4 ; 3006.6,3624.2 3006.6,3637.4 ; 3006.6,3642.2 3006.6,3642.8 ; 3006.6,3643.4 3006.6,3648.2 ; 3006.6,3648.8 3006.6,3649.4 ; 3006.6,3652.4 3006.6,3659.6 ; 3006.6,3660.2 3006.6,3700.4 ; 3007.2,3414.8 3007.2,3509.6 ; 3007.2,3623.6 3007.2,3632.6 ; 3007.2,3634.4 3007.2,3636.2 ; 3007.2,3642.2 3007.2,3642.8 ; 3007.2,3644 3007.2,3649.4 ; 3007.2,3652.4 3007.2,3700.4 ; 3007.8,3415.4 3007.8,3509.6 ; 3007.8,3623.6 3007.8,3632.6 ; 3007.8,3634.4 3007.8,3636.2 ; 3007.8,3644 3007.8,3649.4 ; 3007.8,3653 3007.8,3654.2 ; 3007.8,3654.8 3007.8,3700.4 ; 3008.4,3416 3008.4,3509.6 ; 3008.4,3623.6 3008.4,3633.2 ; 3008.4,3634.4 3008.4,3636.2 ; 3008.4,3644 3008.4,3649.4 ; 3008.4,3653.6 3008.4,3700.4 ; 3009,3416.6 3009,3509.6 ; 3009,3622.4 3009,3623 ; 3009,3623.6 3009,3636.2 ; 3009,3644 3009,3648.8 ; 3009,3654.2 3009,3701 ; 3009.6,3416.6 3009.6,3510.2 ; 3009.6,3603.2 3009.6,3603.8 ; 3009.6,3621.2 3009.6,3623 ; 3009.6,3623.6 3009.6,3636.2 ; 3009.6,3644.6 3009.6,3648.8 ; 3009.6,3655.4 3009.6,3701 ; 3010.2,3417.2 3010.2,3510.8 ; 3010.2,3603.8 3010.2,3604.4 ; 3010.2,3620.6 3010.2,3623 ; 3010.2,3623.6 3010.2,3636.8 ; 3010.2,3644.6 3010.2,3648.8 ; 3010.2,3655.4 3010.2,3701 ; 3010.8,3417.8 3010.8,3510.8 ; 3010.8,3603.8 3010.8,3605.6 ; 3010.8,3620 3010.8,3623 ; 3010.8,3623.6 3010.8,3636.8 ; 3010.8,3644.6 3010.8,3648.8 ; 3010.8,3655.4 3010.8,3701 ; 3011.4,3418.4 3011.4,3491.6 ; 3011.4,3492.2 3011.4,3511.4 ; 3011.4,3605 3011.4,3607.4 ; 3011.4,3608.6 3011.4,3613.4 ; 3011.4,3619.4 3011.4,3623 ; 3011.4,3623.6 3011.4,3636.8 ; 3011.4,3644.6 3011.4,3648.8 ; 3011.4,3655.4 3011.4,3701.6 ; 3012,3418.4 3012,3440.6 ; 3012,3441.8 3012,3512 ; 3012,3605.6 3012,3608.6 ; 3012,3609.2 3012,3611 ; 3012,3618.2 3012,3620 ; 3012,3621.2 3012,3636.8 ; 3012,3645.8 3012,3647.6 ; 3012,3648.2 3012,3648.8 ; 3012,3655.4 3012,3696.8 ; 3012,3698.6 3012,3700.4 ; 3012,3702.2 3012,3703.4 ; 3012.6,3419 3012.6,3492.2 ; 3012.6,3492.8 3012.6,3512 ; 3012.6,3606.8 3012.6,3612.8 ; 3012.6,3617.6 3012.6,3636.2 ; 3012.6,3645.8 3012.6,3648.2 ; 3012.6,3655.4 3012.6,3700.4 ; 3012.6,3702.2 3012.6,3703.4 ; 3013.2,3419.6 3013.2,3489.2 ; 3013.2,3491 3013.2,3492.8 ; 3013.2,3493.4 3013.2,3512.6 ; 3013.2,3607.4 3013.2,3613.4 ; 3013.2,3616.4 3013.2,3636.2 ; 3013.2,3645.8 3013.2,3648.2 ; 3013.2,3656 3013.2,3701 ; 3013.2,3701.6 3013.2,3703.4 ; 3013.8,3420.2 3013.8,3489.2 ; 3013.8,3491 3013.8,3512.6 ; 3013.8,3593.6 3013.8,3594.8 ; 3013.8,3608.6 3013.8,3636.2 ; 3013.8,3645.8 3013.8,3648.2 ; 3013.8,3656 3013.8,3702.8 ; 3014.4,3420.2 3014.4,3489.2 ; 3014.4,3491 3014.4,3513.8 ; 3014.4,3551 3014.4,3551.6 ; 3014.4,3608.6 3014.4,3636.2 ; 3014.4,3645.8 3014.4,3647.6 ; 3014.4,3656.6 3014.4,3702.2 ; 3015,3421.4 3015,3489.2 ; 3015,3491 3015,3515 ; 3015,3550.4 3015,3551 ; 3015,3594.2 3015,3596 ; 3015,3609.8 3015,3636.2 ; 3015,3645.2 3015,3647.6 ; 3015,3656.6 3015,3701.6 ; 3015.6,3421.4 3015.6,3449.6 ; 3015.6,3450.2 3015.6,3489.2 ; 3015.6,3491 3015.6,3515.6 ; 3015.6,3588.8 3015.6,3597.2 ; 3015.6,3597.8 3015.6,3598.4 ; 3015.6,3610.4 3015.6,3636.2